# Altium PCB PCB_v2.PcbDoc (part 1 of 2)
Units mm, origin at the board's own origin, x right, y up, seen from the top; angles counter-clockwise.
Board outline 260 x 100 mm, 2 copper layers (Top Layer, Bottom Layer); 227 components, 161 nets, 717 pads, 403 vias.
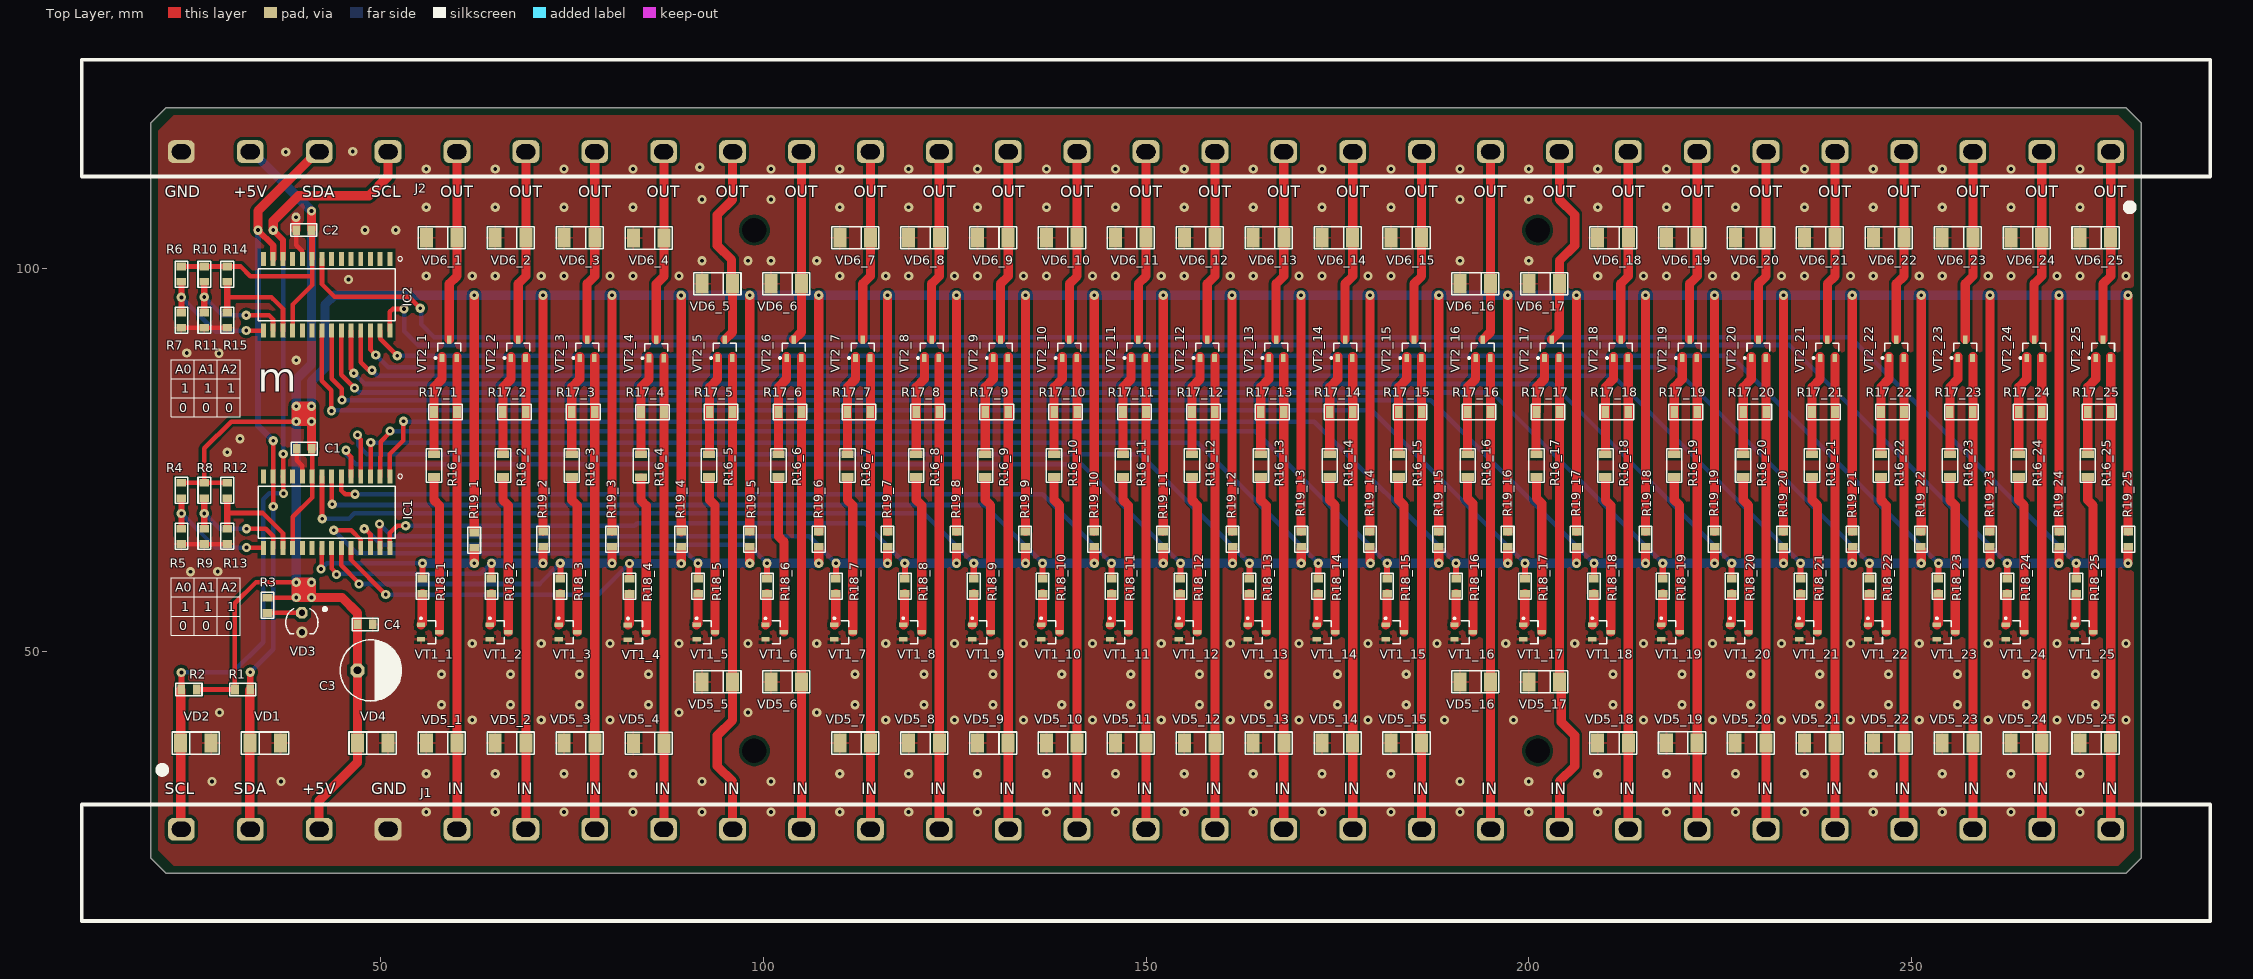
[diagram p0: Top Layer view]
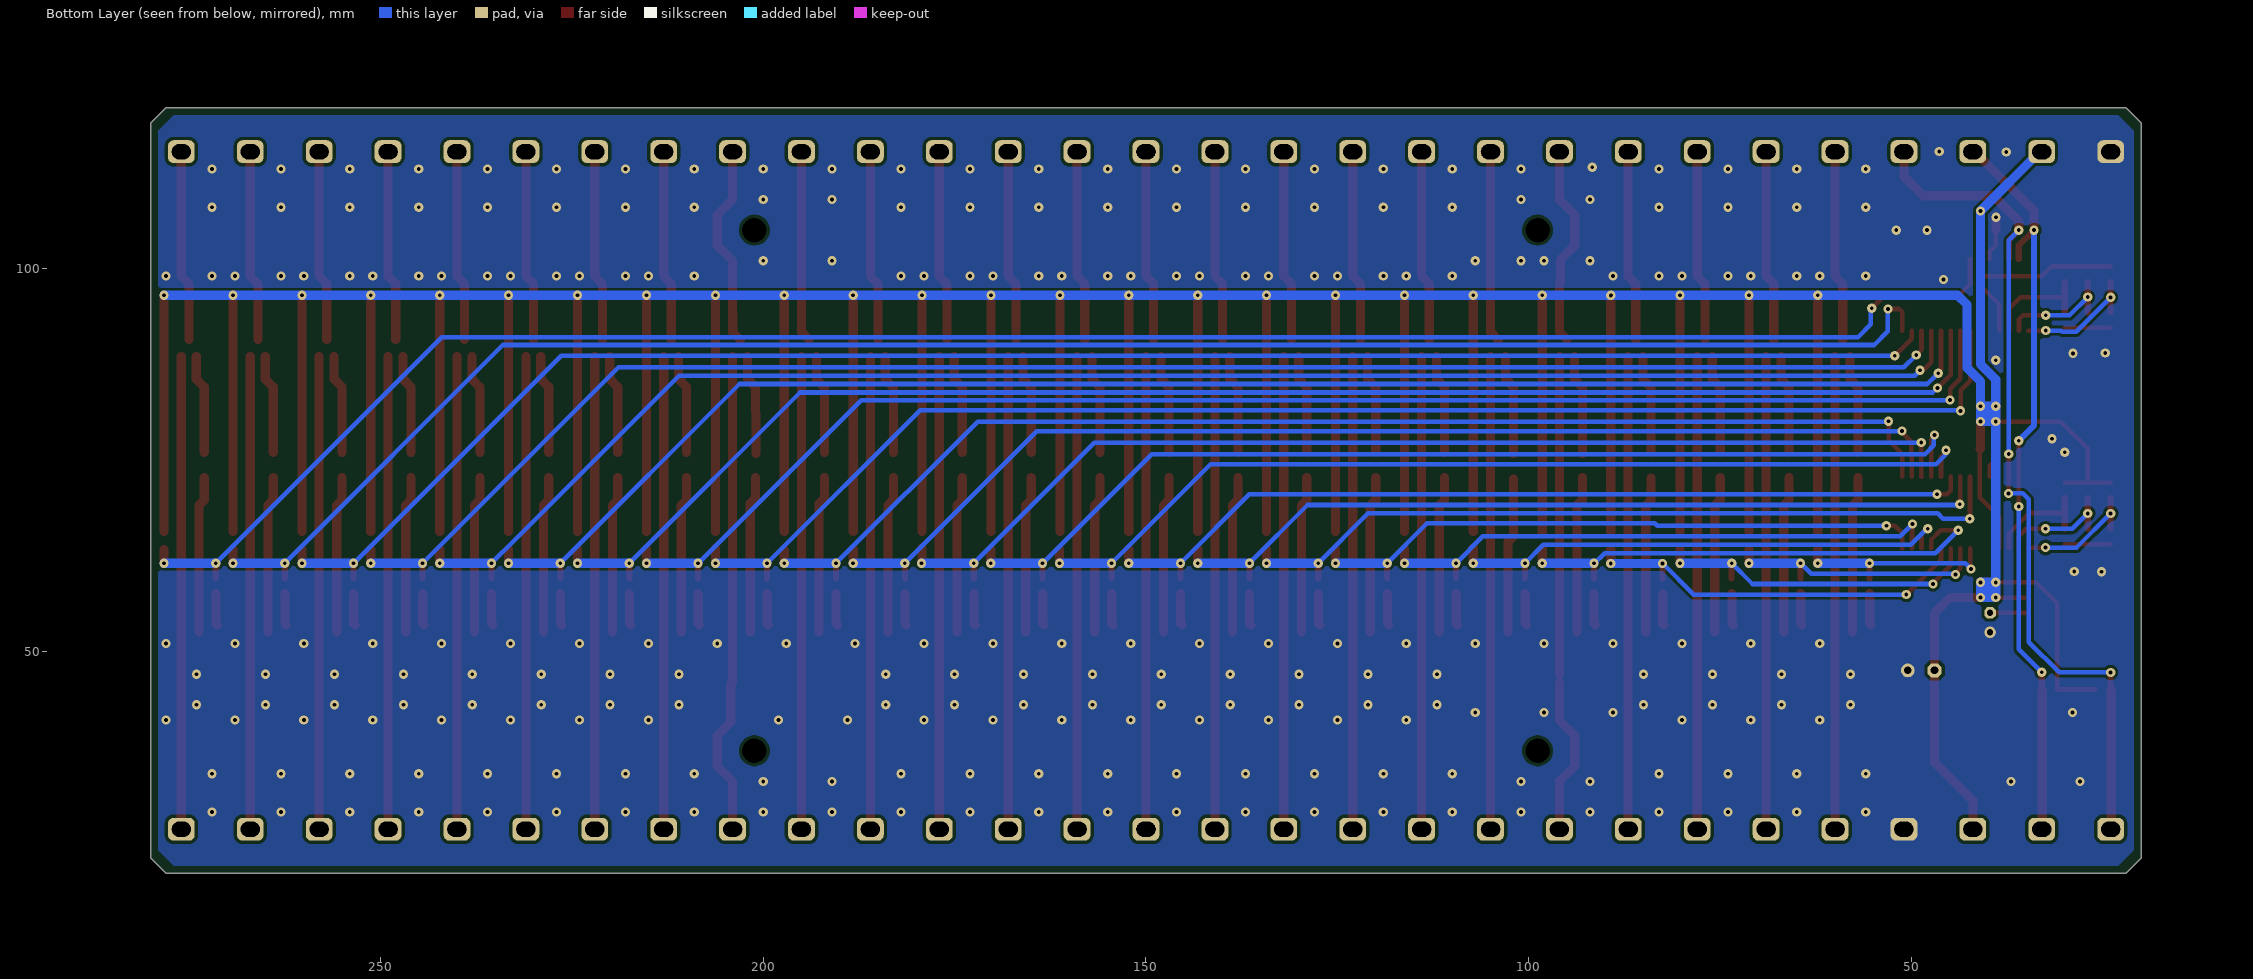
[diagram p1: Bottom Layer view, seen from below]
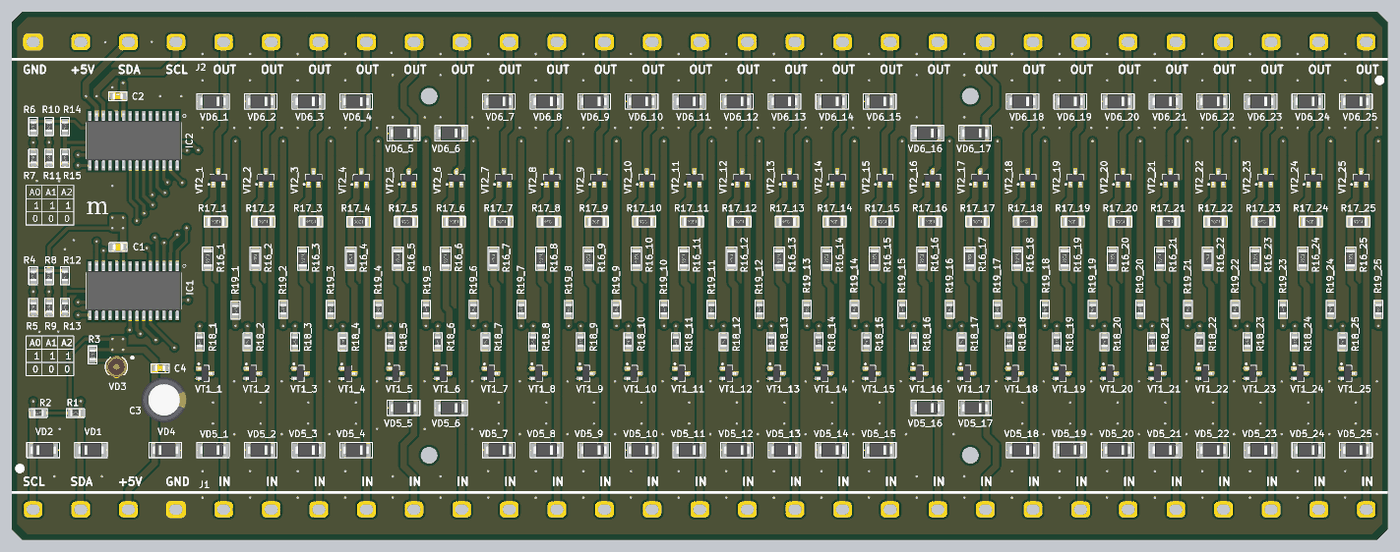
[diagram p3: 3D render of the assembled board from above, using the file's embedded part models]

## Layer stack, top to bottom
Top Solder: solder mask 0.0102, Solder Resist, Dk 3.5
Top Layer: signal copper 0.0356
Dielectric 1: dielectric 0.32, FR-4, Dk 4.8
Bottom Layer: signal copper 0.0356
Bottom Solder: solder mask 0.0102, Solder Resist, Dk 3.5

## Board outline
22,21 20,23 20,119 22,121 278,121 280,119 280,23 278,21

## Design rules (kind name [scope] priority, off if disabled: settings)
Clearance [All] p1: gap=0.4 ignorepadtopadclearanceinfootprint=FALSE
PolygonConnect [All] p1: thpad.connectstyle=Direct thpad.reliefconductorwidth=0.254 thpad.reliefentries=4 thpad.polygonreliefangle="90 Angle" thpad.airgapwidth=0.254 smdpad.connectstyle=Relief smdpad.reliefconductorwidth=0.3 smdpad.reliefentries=4 smdpad.polygonreliefangle="90 Angle" smdpad.airgapwidth=0.3 via.connectstyle=Direct via.reliefconductorwidth=0.254 via.reliefentries=4 via.polygonreliefangle="90 Angle" via.airgapwidth=0.254
RoomDefinition "U_Channel 24" [InComponentClass('U_Channel 24')] p1: confinementstyle=ConfineIn formatcopy=TRUE lockcomponents=FALSE outline 270.5,25 279.5,25 279.5,117 270.5,117
RoomDefinition "U_Channel 0" [InComponentClass('U_Channel 0')] p2: confinementstyle=ConfineIn formatcopy=TRUE lockcomponents=FALSE outline 54.5,25 63.5,25 63.5,117 54.5,117
RoomDefinition "U_Channel 1" [InComponentClass('U_Channel 1')] p3: confinementstyle=ConfineIn formatcopy=TRUE lockcomponents=FALSE outline 63.5,25 72.5,25 72.5,117 63.5,117
RoomDefinition "U_Channel 23" [InComponentClass('U_Channel 23')] p4: confinementstyle=ConfineIn formatcopy=TRUE lockcomponents=FALSE outline 261.5,25 270.5,25 270.5,117 261.5,117
RoomDefinition "U_Channel 22" [InComponentClass('U_Channel 22')] p5: confinementstyle=ConfineIn formatcopy=TRUE lockcomponents=FALSE outline 252.5,25 261.5,25 261.5,117 252.5,117
RoomDefinition "U_Channel 21" [InComponentClass('U_Channel 21')] p6: confinementstyle=ConfineIn formatcopy=TRUE lockcomponents=FALSE outline 243.5,25 252.5,25 252.5,117 243.5,117
RoomDefinition "U_Channel 20" [InComponentClass('U_Channel 20')] p7: confinementstyle=ConfineIn formatcopy=TRUE lockcomponents=FALSE outline 234.5,25 243.5,25 243.5,117 234.5,117
RoomDefinition "U_Channel 19" [InComponentClass('U_Channel 19')] p8: confinementstyle=ConfineIn formatcopy=TRUE lockcomponents=FALSE outline 225.5,25 234.5,25 234.5,117 225.5,117
RoomDefinition "U_Channel 18" [InComponentClass('U_Channel 18')] p9: confinementstyle=ConfineIn formatcopy=TRUE lockcomponents=FALSE outline 216.5,25 225.5,25 225.5,117 216.5,117
RoomDefinition "U_Channel 17" [InComponentClass('U_Channel 17')] p10: confinementstyle=ConfineIn formatcopy=TRUE lockcomponents=FALSE outline 207.5,25 216.5,25 216.5,117 207.5,117
RoomDefinition "U_Channel 16" [InComponentClass('U_Channel 16')] p11: confinementstyle=ConfineIn formatcopy=TRUE lockcomponents=FALSE outline 198.5,25 207.5,25 207.5,117 198.5,117
RoomDefinition "U_Channel 15" [InComponentClass('U_Channel 15')] p12: confinementstyle=ConfineIn formatcopy=TRUE lockcomponents=FALSE outline 189.5,25 198.5,25 198.5,117 189.5,117
RoomDefinition "U_Channel 14" [InComponentClass('U_Channel 14')] p13: confinementstyle=ConfineIn formatcopy=TRUE lockcomponents=FALSE outline 180.5,25 189.5,25 189.5,117 180.5,117
RoomDefinition "U_Channel 13" [InComponentClass('U_Channel 13')] p14: confinementstyle=ConfineIn formatcopy=TRUE lockcomponents=FALSE outline 171.5,25 180.5,25 180.5,117 171.5,117
RoomDefinition "U_Channel 12" [InComponentClass('U_Channel 12')] p15: confinementstyle=ConfineIn formatcopy=TRUE lockcomponents=FALSE outline 162.5,25 171.5,25 171.5,117 162.5,117
RoomDefinition "U_Channel 11" [InComponentClass('U_Channel 11')] p16: confinementstyle=ConfineIn formatcopy=TRUE lockcomponents=FALSE outline 153.5,25 162.5,25 162.5,117 153.5,117
RoomDefinition "U_Channel 10" [InComponentClass('U_Channel 10')] p17: confinementstyle=ConfineIn formatcopy=TRUE lockcomponents=FALSE outline 144.5,25 153.5,25 153.5,117 144.5,117
RoomDefinition "U_Channel 9" [InComponentClass('U_Channel 9')] p18: confinementstyle=ConfineIn formatcopy=TRUE lockcomponents=FALSE outline 135.5,25 144.5,25 144.5,117 135.5,117
RoomDefinition "U_Channel 8" [InComponentClass('U_Channel 8')] p19: confinementstyle=ConfineIn formatcopy=TRUE lockcomponents=FALSE outline 126.5,25 135.5,25 135.5,117 126.5,117
RoomDefinition "U_Channel 7" [InComponentClass('U_Channel 7')] p20: confinementstyle=ConfineIn formatcopy=TRUE lockcomponents=FALSE outline 117.5,25 126.5,25 126.5,117 117.5,117
RoomDefinition "U_Channel 6" [InComponentClass('U_Channel 6')] p21: confinementstyle=ConfineIn formatcopy=TRUE lockcomponents=FALSE outline 108.5,25 117.5,25 117.5,117 108.5,117
RoomDefinition "U_Channel 5" [InComponentClass('U_Channel 5')] p22: confinementstyle=ConfineIn formatcopy=TRUE lockcomponents=FALSE outline 99.5,25 108.5,25 108.5,117 99.5,117
RoomDefinition "U_Channel 4" [InComponentClass('U_Channel 4')] p23: confinementstyle=ConfineIn formatcopy=TRUE lockcomponents=FALSE outline 90.5,25 99.5,25 99.5,117 90.5,117
RoomDefinition "U_Channel 3" [InComponentClass('U_Channel 3')] p24: confinementstyle=ConfineIn formatcopy=TRUE lockcomponents=FALSE outline 81.535,24.975 90.535,24.975 90.535,116.975 81.535,116.975
RoomDefinition "U_Channel 2" [InComponentClass('U_Channel 2')] p25: confinementstyle=ConfineIn formatcopy=TRUE lockcomponents=FALSE outline 72.5,25 81.5,25 81.5,117 72.5,117
RoutingVias [All] p1: holewidth=0.5 width=1.2 viastyle="Through Hole" minholewidth=0.5 minwidth=1.2 maxholewidth=0.5 maxwidth=1.2
SolderMaskExpansion [All] p1: expansion=0.102
Width [All] p1: maxlimit=1.2 minlimit=0.6 preferedwidth=0.8
30 further rules are at their usual default settings.

## Classes and differential pairs
channel class Channel: "U_Channel 0" "U_Channel 1" "U_Channel 2" "U_Channel 3" "U_Channel 4" "U_Channel 5" "U_Channel 6" "U_Channel 7" "U_Channel 8" "U_Channel 9" "U_Channel 10" "U_Channel 11" "U_Channel 12" "U_Channel 13" "U_Channel 14" "U_Channel 15" "U_Channel 16" "U_Channel 17" "U_Channel 18" "U_Channel 19" "U_Channel 20" "U_Channel 21" "U_Channel 22" "U_Channel 23" "U_Channel 24"
component class "U_Channel 24": R16_25 R17_25 R18_25 R19_25 VD5_25 VD6_25 VT1_25 VT2_25
component class "U_Channel 23": R16_24 R17_24 R18_24 R19_24 VD5_24 VD6_24 VT1_24 VT2_24
component class "U_Channel 22": R16_23 R17_23 R18_23 R19_23 VD5_23 VD6_23 VT1_23 VT2_23
component class "U_Channel 21": R16_22 R17_22 R18_22 R19_22 VD5_22 VD6_22 VT1_22 VT2_22
component class "U_Channel 20": R16_21 R17_21 R18_21 R19_21 VD5_21 VD6_21 VT1_21 VT2_21
component class "U_Channel 19": R16_20 R17_20 R18_20 R19_20 VD5_20 VD6_20 VT1_20 VT2_20
component class "U_Channel 18": R16_19 R17_19 R18_19 R19_19 VD5_19 VD6_19 VT1_19 VT2_19
component class "U_Channel 17": R16_18 R17_18 R18_18 R19_18 VD5_18 VD6_18 VT1_18 VT2_18
component class "U_Channel 16": R16_17 R17_17 R18_17 R19_17 VD5_17 VD6_17 VT1_17 VT2_17
component class "U_Channel 15": R16_16 R17_16 R18_16 R19_16 VD5_16 VD6_16 VT1_16 VT2_16
component class "U_Channel 14": R16_15 R17_15 R18_15 R19_15 VD5_15 VD6_15 VT1_15 VT2_15
component class "U_Channel 13": R16_14 R17_14 R18_14 R19_14 VD5_14 VD6_14 VT1_14 VT2_14
component class "U_Channel 12": R16_13 R17_13 R18_13 R19_13 VD5_13 VD6_13 VT1_13 VT2_13
component class "U_Channel 11": R16_12 R17_12 R18_12 R19_12 VD5_12 VD6_12 VT1_12 VT2_12
component class "U_Channel 10": R16_11 R17_11 R18_11 R19_11 VD5_11 VD6_11 VT1_11 VT2_11
component class "U_Channel 9": R16_10 R17_10 R18_10 R19_10 VD5_10 VD6_10 VT1_10 VT2_10
component class "U_Channel 8": R16_9 R17_9 R18_9 R19_9 VD5_9 VD6_9 VT1_9 VT2_9
component class "U_Channel 7": R16_8 R17_8 R18_8 R19_8 VD5_8 VD6_8 VT1_8 VT2_8
component class "U_Channel 6": R16_7 R17_7 R18_7 R19_7 VD5_7 VD6_7 VT1_7 VT2_7
component class "U_Channel 5": R16_6 R17_6 R18_6 R19_6 VD5_6 VD6_6 VT1_6 VT2_6
component class "U_Channel 4": R16_5 R17_5 R18_5 R19_5 VD5_5 VD6_5 VT1_5 VT2_5
component class "U_Channel 3": R16_4 R17_4 R18_4 R19_4 VD5_4 VD6_4 VT1_4 VT2_4
component class "U_Channel 2": R16_3 R17_3 R18_3 R19_3 VD5_3 VD6_3 VT1_3 VT2_3
component class "U_Channel 1": R16_2 R17_2 R18_2 R19_2 VD5_2 VD6_2 VT1_2 VT2_2
component class "U_Channel 0": R16_1 R17_1 R18_1 R19_1 VD5_1 VD6_1 VT1_1 VT2_1
component class Scheme: C1 C2 C3 C4 IC1 IC2 J1 J2 R1 R2 R3 R4 R5 R6 R7 R8 R9 R10 R11 R12 R13 R14 R15 VD1 VD2 VD3 VD4

## Components (designator, comment, footprint, x,y, rotation, side; value= is the part's Value field where it differs from the comment)
C1 "Ceramic capacitor, 0,1мкФ, X7R, ±10%, 16V, 0805, -55...+125°C" "CAP: 0805" 40.054,76.456 r0 top value=0,1мкФ
C2 "Ceramic capacitor, 0,1мкФ, X7R, ±10%, 16V, 0805, -55...+125°C" "CAP: 0805" 40,105 r0 top value=0,1мкФ
C3 "Aluminium capacitor, 100мкФ, 35V, ±20%, 54mOhm, 14x10x5 mm, -55...+105°C" "CAP: D8C3.5H12" 48.75,47.5 r0 top value=100мкФ
C4 "Ceramic capacitor, 0,1мкФ, X7R, ±10%, 16V, 0805, -55...+125°C" "CAP: 0805" 48,53.5 r180 top value=0,1мкФ
IC1 "MCP23017-E_SO" SOIC127P1030X265-28N 42.987,68.147 r270 top locked
IC2 "MCP23017-E_SO" SOIC127P1030X265-28N 42.987,96.559 r270 top locked
J1 "CONNECTOR_29PIN" Connector_29pin 150,26.75 r0 top locked
J2 "CONNECTOR_29PIN" Connector_29pin 150,115.25 r180 top locked
R1 "Resistor film, 1K, ±5%, 0805, 0.125W, -55...+125°C" "RES: 0805" 32,45 r0 top value=1K
R2 "Resistor film, 1K, ±5%, 0805, 0.125W, -55...+125°C" "RES: 0805" 25,45 r180 top value=1K
R3 "Resistor film, 1K, ±5%, 0805, 0.125W, -55...+125°C" "RES: 0805" 35.25,56 r270 top value=1K
R4 "Resistor film, 4К7, ±5%, 0805, 0.125W, -55...+125°C" "RES: 0805" 24,71 r270 top value=4К7
R5 "Resistor film, 0, ±5%, 0805, 0.125W, -55...+125°C" "RES: 0805" 24,65 r270 top value=0
R6 "Resistor film, 4К7, ±5%, 0805, 0.125W, -55...+125°C" "RES: 0805" 24,99.25 r270 top value=4К7
R7 "Resistor film, 0, ±5%, 0805, 0.125W, -55...+125°C" "RES: 0805" 24,93.25 r270 top value=0
R8 "Resistor film, 4К7, ±5%, 0805, 0.125W, -55...+125°C" "RES: 0805" 27,71 r270 top value=4К7
R9 "Resistor film, 0, ±5%, 0805, 0.125W, -55...+125°C" "RES: 0805" 27,65 r270 top value=0
R10 "Resistor film, 4К7, ±5%, 0805, 0.125W, -55...+125°C" "RES: 0805" 27,99.25 r270 top value=4К7
R11 "Resistor film, 0, ±5%, 0805, 0.125W, -55...+125°C" "RES: 0805" 27,93.25 r270 top value=0
R12 "Resistor film, 4К7, ±5%, 0805, 0.125W, -55...+125°C" "RES: 0805" 30,71 r270 top value=4К7
R13 "Resistor film, 0, ±5%, 0805, 0.125W, -55...+125°C" "RES: 0805" 30,65 r270 top value=0
R14 "Resistor film, 4К7, ±5%, 0805, 0.125W, -55...+125°C" "RES: 0805" 30,99.25 r270 top value=4К7
R15 "Resistor film, 0, ±5%, 0805, 0.125W, -55...+125°C" "RES: 0805" 30,93.25 r270 top value=0
R16_1 "Resistor film, 1K, ±5%, 1206, 0.25W, -55...+125°C" "RES: 1206" 57,74.25 r270 top value=1K (schematic designator R16)
R16_2 "Resistor film, 1K, ±5%, 1206, 0.25W, -55...+125°C" "RES: 1206" 66,74.25 r270 top value=1K (schematic designator R16)
R16_3 "Resistor film, 1K, ±5%, 1206, 0.25W, -55...+125°C" "RES: 1206" 75,74.25 r270 top value=1K (schematic designator R16)
R16_4 "Resistor film, 1K, ±5%, 1206, 0.25W, -55...+125°C" "RES: 1206" 84.035,74.225 r270 top value=1K (schematic designator R16)
R16_5 "Resistor film, 1K, ±5%, 1206, 0.25W, -55...+125°C" "RES: 1206" 92.934,74.25 r270 top value=1K (schematic designator R16)
R16_6 "Resistor film, 1K, ±5%, 1206, 0.25W, -55...+125°C" "RES: 1206" 101.995,74.25 r270 top value=1K (schematic designator R16)
R16_7 "Resistor film, 1K, ±5%, 1206, 0.25W, -55...+125°C" "RES: 1206" 111,74.25 r270 top value=1K (schematic designator R16)
R16_8 "Resistor film, 1K, ±5%, 1206, 0.25W, -55...+125°C" "RES: 1206" 120,74.25 r270 top value=1K (schematic designator R16)
R16_9 "Resistor film, 1K, ±5%, 1206, 0.25W, -55...+125°C" "RES: 1206" 129,74.25 r270 top value=1K (schematic designator R16)
R16_10 "Resistor film, 1K, ±5%, 1206, 0.25W, -55...+125°C" "RES: 1206" 138,74.25 r270 top value=1K (schematic designator R16)
R16_11 "Resistor film, 1K, ±5%, 1206, 0.25W, -55...+125°C" "RES: 1206" 147,74.25 r270 top value=1K (schematic designator R16)
R16_12 "Resistor film, 1K, ±5%, 1206, 0.25W, -55...+125°C" "RES: 1206" 156,74.25 r270 top value=1K (schematic designator R16)
R16_13 "Resistor film, 1K, ±5%, 1206, 0.25W, -55...+125°C" "RES: 1206" 165,74.25 r270 top value=1K (schematic designator R16)
R16_14 "Resistor film, 1K, ±5%, 1206, 0.25W, -55...+125°C" "RES: 1206" 174,74.25 r270 top value=1K (schematic designator R16)
R16_15 "Resistor film, 1K, ±5%, 1206, 0.25W, -55...+125°C" "RES: 1206" 183,74.25 r270 top value=1K (schematic designator R16)
R16_16 "Resistor film, 1K, ±5%, 1206, 0.25W, -55...+125°C" "RES: 1206" 192.021,74.25 r270 top value=1K (schematic designator R16)
R16_17 "Resistor film, 1K, ±5%, 1206, 0.25W, -55...+125°C" "RES: 1206" 201.021,74.25 r270 top value=1K (schematic designator R16)
R16_18 "Resistor film, 1K, ±5%, 1206, 0.25W, -55...+125°C" "RES: 1206" 210,74.25 r270 top value=1K (schematic designator R16)
R16_19 "Resistor film, 1K, ±5%, 1206, 0.25W, -55...+125°C" "RES: 1206" 219,74.25 r270 top value=1K (schematic designator R16)
R16_20 "Resistor film, 1K, ±5%, 1206, 0.25W, -55...+125°C" "RES: 1206" 228,74.25 r270 top value=1K (schematic designator R16)
R16_21 "Resistor film, 1K, ±5%, 1206, 0.25W, -55...+125°C" "RES: 1206" 237,74.25 r270 top value=1K (schematic designator R16)
R16_22 "Resistor film, 1K, ±5%, 1206, 0.25W, -55...+125°C" "RES: 1206" 246,74.25 r270 top value=1K (schematic designator R16)
R16_23 "Resistor film, 1K, ±5%, 1206, 0.25W, -55...+125°C" "RES: 1206" 255,74.25 r270 top value=1K (schematic designator R16)
R16_24 "Resistor film, 1K, ±5%, 1206, 0.25W, -55...+125°C" "RES: 1206" 264,74.25 r270 top value=1K (schematic designator R16)
R16_25 "Resistor film, 1K, ±5%, 1206, 0.25W, -55...+125°C" "RES: 1206" 273,74.25 r270 top value=1K (schematic designator R16)
R17_1 "Resistor film, 10K, ±5%, 1206, 0.25W, -55...+125°C" "RES: 1206" 58.5,81.25 r180 top value=10K (schematic designator R17)
R17_2 "Resistor film, 10K, ±5%, 1206, 0.25W, -55...+125°C" "RES: 1206" 67.5,81.25 r180 top value=10K (schematic designator R17)
R17_3 "Resistor film, 10K, ±5%, 1206, 0.25W, -55...+125°C" "RES: 1206" 76.5,81.25 r180 top value=10K (schematic designator R17)
R17_4 "Resistor film, 10K, ±5%, 1206, 0.25W, -55...+125°C" "RES: 1206" 85.535,81.225 r180 top value=10K (schematic designator R17)
R17_5 "Resistor film, 10K, ±5%, 1206, 0.25W, -55...+125°C" "RES: 1206" 94.5,81.25 r180 top value=10K (schematic designator R17)
R17_6 "Resistor film, 10K, ±5%, 1206, 0.25W, -55...+125°C" "RES: 1206" 103.5,81.25 r180 top value=10K (schematic designator R17)
R17_7 "Resistor film, 10K, ±5%, 1206, 0.25W, -55...+125°C" "RES: 1206" 112.5,81.25 r180 top value=10K (schematic designator R17)
R17_8 "Resistor film, 10K, ±5%, 1206, 0.25W, -55...+125°C" "RES: 1206" 121.5,81.25 r180 top value=10K (schematic designator R17)
R17_9 "Resistor film, 10K, ±5%, 1206, 0.25W, -55...+125°C" "RES: 1206" 130.5,81.25 r180 top value=10K (schematic designator R17)
R17_10 "Resistor film, 10K, ±5%, 1206, 0.25W, -55...+125°C" "RES: 1206" 139.5,81.25 r180 top value=10K (schematic designator R17)
R17_11 "Resistor film, 10K, ±5%, 1206, 0.25W, -55...+125°C" "RES: 1206" 148.5,81.25 r180 top value=10K (schematic designator R17)
R17_12 "Resistor film, 10K, ±5%, 1206, 0.25W, -55...+125°C" "RES: 1206" 157.5,81.25 r180 top value=10K (schematic designator R17)
R17_13 "Resistor film, 10K, ±5%, 1206, 0.25W, -55...+125°C" "RES: 1206" 166.5,81.25 r180 top value=10K (schematic designator R17)